# Altium PCB radxa_cm4_io_v1.10.PcbDoc (part 6 of 8)
Units mil, origin at the board's own origin, x right, y up, seen from the top; angles counter-clockwise.
Board outline 6299.62 x 3544.12 mil, 4 copper layers (Top, GND, Power, Bottom), stack 35.4 mil thick; 509 components, 417 nets, 1867 pads, 2150 vias.
Unrouted connection lines stored in the file: 1451.
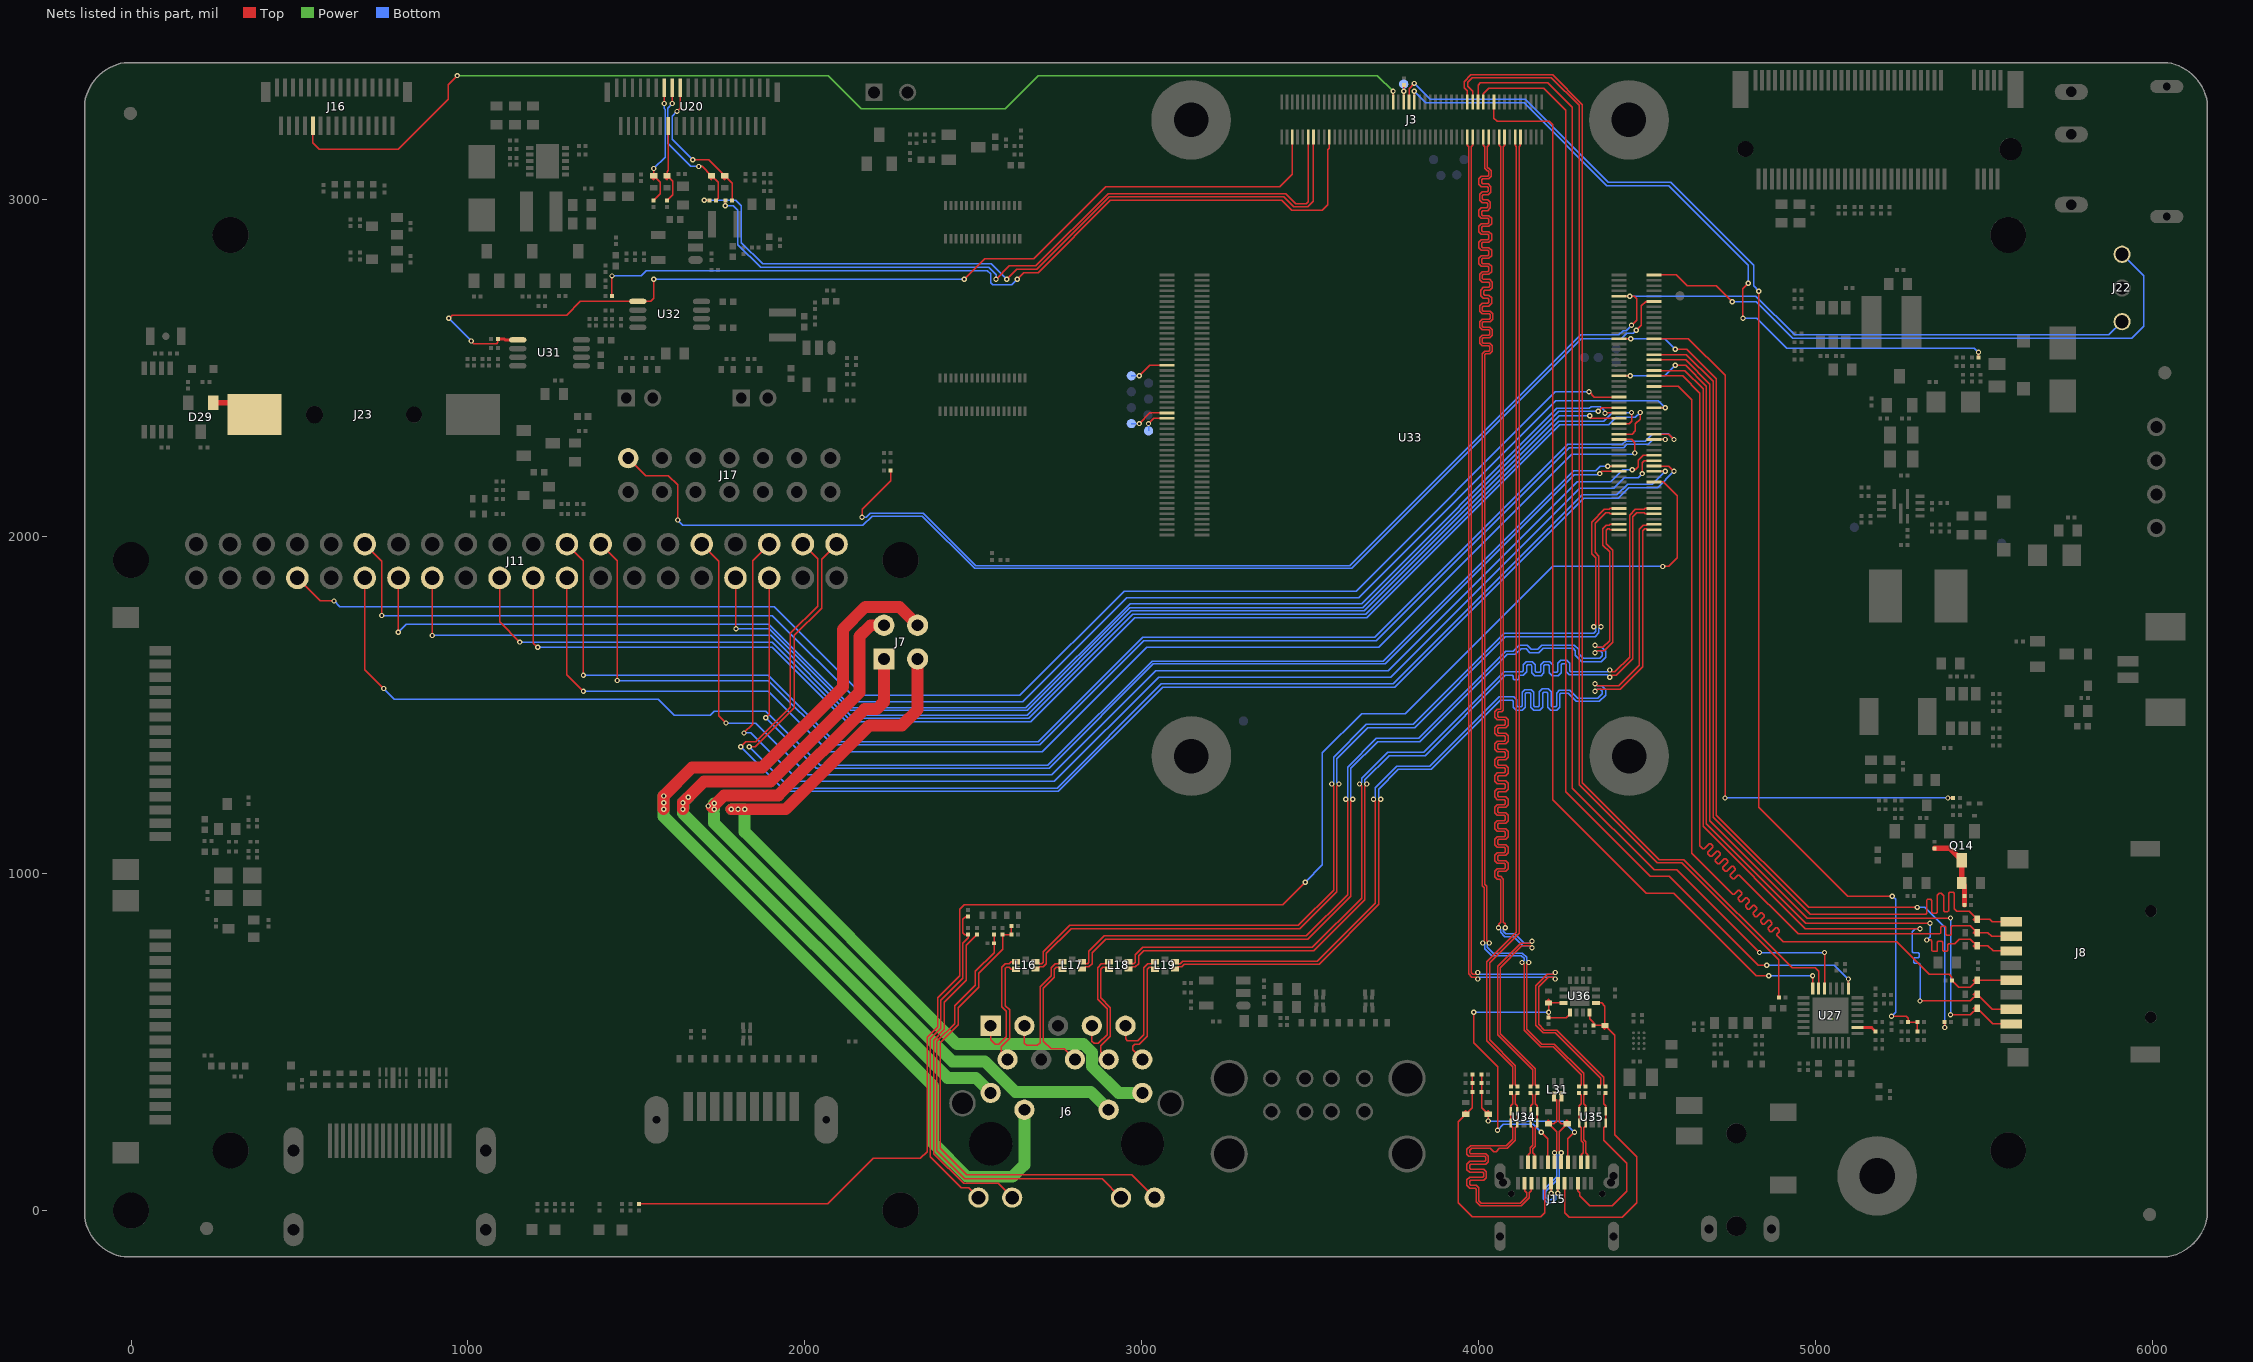
[diagram p8: the nets of this part, all layers, seen from the top]

## Via types
v1: diameter 15.75, hole 7.87, Top to Bottom, 2047 vias
v2: diameter 19.68, hole 11.81, Top to Bottom, 103 vias

## Nets (pads, with @x,y where several pads share a name; then routed paths per layer and width w, separated by ;. In a path a pad name is that pad's centre, name@x,y a point inside that pad or via, vN(x,y) a via of type N, cw(c..) or ccw(c..) an arc to the next point about the centre after c; other vN are vias at no path point) (continued)
PHY1_MDI0+: L16.1 U33.12 | length 2759.1
  Top w3.94: L16.1@2684.25,738.58 2690.94,738.58 2696.85,732.68 2702.76,732.68 2706.69,736.61 2706.69,767.72 2785.43,846.46 3464.43,846.46 3568.9,950.93 3568.9,1259.84 v1(3562.99,1265.75) ; v1(4340.55,1732.28) 4346.46,1738.19 4346.46,1937.01 4334.65,1948.82 4334.65,2043.31 4371.85,2080.51 4386.81,2080.51 4389.76,2083.46 U33.12@4415.35,2083.46
  Bottom w3.94: v1(3562.99,1265.75) 3568.9,1271.65 3568.9,1345.54 3666.27,1442.91 3804.98,1442.91 4074.66,1712.6 4340.41,1712.6 4346.46,1718.64 4346.46,1726.38 v1(4340.55,1732.28)
PHY1_MDI0-: L16.2 U33.10 | length 2759.1
  Top w3.94: L16.2@2684.25,716.93 2690.94,716.93 2696.85,722.83 2706.83,722.83 2716.54,732.54 2716.54,763.64 2789.51,836.61 3468.5,836.61 3578.74,946.85 3578.74,1259.84 v1(3584.65,1265.75) ; v1(4362.2,1732.28) 4356.3,1738.19 4356.3,1915.35 4356.3,1941.08 4344.49,1952.9 4344.49,2039.23 4375.93,2070.67 4386.81,2070.67 4389.76,2067.72 U33.10@4415.35,2067.72
  Bottom w3.94: v1(3584.65,1265.75) 3578.74,1271.65 3578.74,1341.47 3670.35,1433.07 3809.06,1433.07 4078.74,1702.76 4344.49,1702.76 4356.3,1714.57 4356.3,1726.38 v1(4362.2,1732.28)
PHY1_MDI1+: L17.1 U33.4 | length 2704.6
  Top w3.94: L17.1@2822.05,738.58 2826.77,738.58 2832.68,732.68 2838.44,732.68 2842.52,736.75 2842.52,769.69 2887.8,814.96 3488.19,814.96 3610.24,937.01 3610.24,1214.57 v1(3604.33,1220.47) ; v1(4344.49,1655.51) 4350.39,1661.42 4372.05,1661.42 4397.64,1687.01 4397.64,1935.04 4397.64,1958.8 4377.95,1978.49 4377.95,2019.35 4382.03,2023.43 4386.81,2023.43 4389.76,2020.47 U33.4@4415.35,2020.47
  Bottom w3.94: v1(3604.33,1220.47) 3610.24,1226.38 3610.24,1316.01 3695.8,1401.57 3820.73,1401.57 4079.58,1660.43 4102.36,1660.43 4119.09,1677.17 4143.7,1677.17 4155.51,1665.35 4174.14,1665.35 4186.94,1678.15 4283.53,1678.15 4296.26,1665.42 4296.26,1651.64 4309.12,1638.78 4359.11,1638.78 4366.14,1645.81 4366.14,1655.37 4360.1,1661.42 4350.39,1661.42 v1(4344.49,1655.51)
PHY1_MDI1-: L17.2 U33.6 | length 2737.2
  Top w3.94: L17.2@2822.05,716.93 2826.77,716.93 2832.68,722.83 2842.52,722.83 2852.36,732.68 2852.36,765.61 2891.87,805.12 3492.27,805.12 3620.08,932.93 3620.08,1214.57 v1(3625.98,1220.47) ; v1(4344.49,1677.17) 4350.39,1671.26 4367.97,1671.26 4387.8,1691.08 4387.8,1954.72 4368.11,1974.41 4368.11,2023.43 4377.95,2033.27 4386.81,2033.27 4389.76,2036.22 U33.6@4415.35,2036.22
  Bottom w3.94: v1(3625.98,1220.47) 3620.08,1226.38 3620.08,1311.94 3699.87,1391.73 3824.8,1391.73 4083.66,1650.59 4108.27,1650.59 4124.93,1667.25 4139.69,1667.25 4151.44,1655.51 4178.22,1655.51 4191.01,1668.31 4279.46,1668.31 4286.42,1661.35 4286.42,1647.57 4305.05,1628.94 4363.19,1628.94 4375.98,1641.73 4375.98,1659.45 4364.17,1671.26 4350.39,1671.26 v1(4344.49,1677.17)
PHY1_MDI2+: L18.1 U33.11 | length 2752.2
  Top w3.94: L18.1@2959.84,738.58 2964.57,738.58 2970.47,732.68 2976.24,732.68 2980.32,736.75 2980.32,759.84 3001.97,781.5 3505.91,781.5 3651.57,927.17 3651.57,1259.84 v1(3645.67,1265.75) ; v1(4387.8,1604.33) 4393.7,1598.43 4403.4,1598.43 4446.85,1641.87 4446.85,2062.94 4464.43,2080.51 4491.14,2080.51 4494.09,2083.46 U33.11@4520.08,2083.46
  Bottom w3.94: v1(3645.67,1265.75) 3651.57,1271.65 3651.57,1282.55 3729.26,1360.24 3836.47,1360.24 4075.65,1599.41 4128.94,1599.41 4131.89,1602.36 4131.89,1620.22 4140.61,1628.94 4158.6,1628.94 4167.32,1620.22 4167.32,1600.39 4170.28,1597.44 4180.12,1597.44 4183.07,1600.39 4183.07,1620.22 4191.79,1628.94 4209.79,1628.94 4218.5,1620.22 4218.5,1600.39 4221.46,1597.44 4231.3,1597.44 4234.25,1600.39 4234.25,1624.16 4242.97,1632.87 4260.97,1632.87 4269.68,1624.16 4269.68,1602.36 4272.64,1599.41 4382.87,1599.41 v1(4387.8,1604.33)
PHY1_MDI2-: L18.2 U33.9 | length 2772.9
  Top w3.94: L18.2@2959.84,716.93 2964.57,716.93 2970.47,722.83 2980.32,722.83 2990.16,732.68 2990.16,755.77 3006.05,771.65 3509.98,771.65 3661.42,923.09 3661.42,1259.84 v1(3667.32,1265.75) ; v1(4387.8,1582.68) 4393.7,1588.58 4407.48,1588.58 4456.69,1637.8 4456.69,2058.86 4468.5,2070.67 4491.14,2070.67 4494.09,2067.72 U33.9@4520.08,2067.72
  Bottom w3.94: v1(3667.32,1265.75) 3661.42,1271.65 3661.42,1278.47 3733.34,1350.39 3840.55,1350.39 4078.74,1588.58 4099.17,1588.58 4102.36,1585.39 4102.36,1578.08 4105.32,1575.13 4115.16,1575.13 4118.11,1578.08 4118.11,1585.63 4121.06,1588.58 4132.03,1588.58 4141.73,1598.29 4141.73,1616.14 4144.68,1619.09 4154.53,1619.09 4157.48,1616.14 4157.48,1596.32 4166.2,1587.6 4184.19,1587.6 4192.91,1596.32 4192.91,1616.14 4195.87,1619.09 4205.71,1619.09 4208.66,1616.14 4208.66,1596.32 4217.38,1587.6 4235.38,1587.6 4244.09,1596.32 4244.09,1620.08 4247.05,1623.03 4256.89,1623.03 4259.84,1620.08 4259.84,1598.29 4268.56,1589.57 4380.91,1589.57 v1(4387.8,1582.68)
PHY1_MDI3+: L19.1 U33.3 | length 2712.9
  Top w3.94: L19.1@3097.64,738.58 3102.36,738.58 3108.27,732.68 3114.03,732.68 3121.51,740.16 3520.53,740.16 3692.91,912.54 3692.91,1214.57 v1(3687.01,1220.47) ; v1(4344.49,1541.34) 4350.39,1547.24 4419.29,1547.24 4486.22,1614.17 4486.22,2017.38 4492.27,2023.43 4497.05,2023.43 4500,2020.47 U33.3@4520.08,2020.47
  Bottom w3.94: v1(3687.01,1220.47) 3692.91,1226.38 3692.91,1254.99 3756.82,1318.9 3854.19,1318.9 4059.9,1524.61 4103.49,1524.61 4112.2,1515.89 4112.2,1498.03 4115.16,1495.08 4125,1495.08 4127.95,1498.03 4127.95,1537.54 4136.67,1546.26 4154.67,1546.26 4163.39,1537.54 4163.39,1498.03 4166.34,1495.08 4176.18,1495.08 4179.13,1498.03 4179.13,1539.51 4187.85,1548.23 4205.85,1548.23 4214.57,1539.51 4214.57,1498.03 4217.52,1495.08 4227.36,1495.08 4230.32,1498.03 4230.32,1535.57 4239.03,1544.29 4269.75,1544.29 4293.38,1520.67 4353.21,1520.67 4366.14,1533.6 4366.14,1541.2 4360.1,1547.24 4350.39,1547.24 v1(4344.49,1541.34)
PHY1_MDI3-: L19.2 U33.5 | length 2745.8
  Top w3.94: L19.2@3097.64,716.93 3102.36,716.93 3108.27,722.83 3118.11,722.83 3125.59,730.32 3525.65,730.32 3702.76,908.46 3702.76,1214.57 v1(3708.66,1220.47) ; v1(4344.49,1562.99) 4350.39,1557.09 4415.21,1557.09 4476.38,1618.25 4476.38,2021.46 4488.19,2033.27 4497.05,2033.27 4500,2036.22 U33.5@4520.08,2036.22
  Bottom w3.94: v1(3708.66,1220.47) 3702.76,1226.38 3702.76,1250.91 3760.9,1309.06 3858.27,1309.06 4063.98,1514.76 4099.41,1514.76 4102.36,1511.81 4102.36,1493.95 4111.08,1485.24 4129.08,1485.24 4137.8,1493.95 4137.8,1533.46 4140.75,1536.42 4150.59,1536.42 4153.54,1533.46 4153.54,1493.95 4162.26,1485.24 4180.26,1485.24 4188.98,1493.95 4188.98,1535.43 4191.93,1538.39 4201.77,1538.39 4204.72,1535.43 4204.72,1493.95 4213.44,1485.24 4231.44,1485.24 4240.16,1493.95 4240.16,1531.5 4243.11,1534.45 4265.68,1534.45 4289.3,1510.83 4357.28,1510.83 4375.98,1529.53 4375.98,1545.28 4364.17,1557.09 4350.39,1557.09 v1(4344.49,1562.99)
PHY_G_LED+: J6.15 R248.1 R252.2 | length 975.5
  Top w3.94: R252.2@2484.25,872.05 2476.38,872.05 2468.5,864.17 2468.5,824.8 2474.41,818.9 R248.1@2484.25,818.9 2484.25,809.06 2468.5,793.31 2468.5,688.98 2403.54,624.02 2403.54,541.34 2372.05,509.84 2372.05,159.45 2464.17,67.32 2486.22,67.32 J6.15@2514.96,38.58
PHY_G_LED-: J6.16 R253.1 | length 989.8
  Top w3.94: R253.1@2509.84,818.9 2478.35,787.4 2478.35,683.07 2413.39,618.11 2413.39,537.4 2381.89,505.91 2381.89,169.29 2470.47,80.71 2572.83,80.71 J6.16@2614.96,38.58
PHY_MDI0+: J6.1 L16.3 | length 361.9
  Top w3.94: J6.1@2551.18,548.43 2551.18,506.89 2563.98,494.09 2575.72,494.09 2597.44,515.82 2597.44,591.4 2584.65,604.19 2584.65,658.32 2584.65,722.44 2594.49,732.28 2606.3,732.28 2612.2,738.19 L16.3@2625.98,738.19
PHY_MDI0-: J6.2 L16.4 | length 328.7
  Top w3.94: J6.2@2601.18,448.43 2582.68,466.93 2582.68,486.22 2607.28,510.83 2607.28,595.47 2594.49,608.27 2594.49,718.36 2598.57,722.44 2606.3,722.44 2612.2,716.54 L16.4@2625.98,716.54
PHY_MDI1+: J6.3 L17.3 | length 381.2
  Top w3.94: J6.3@2651.18,548.43 2651.18,496.46 2657.48,490.16 2689.96,490.16 2697.83,498.03 2697.83,664.51 2730.32,696.99 2730.32,720.47 2742.13,732.28 2751.97,732.28 2757.87,738.19 L17.3@2763.78,738.19
PHY_MDI1-: J6.6 L17.4 | length 371.6
  Top w3.94: L17.4@2763.78,716.54 2757.87,716.54 2751.97,722.44 2746.2,722.44 2740.16,716.4 2740.16,692.91 2707.68,660.43 2707.68,502.95 2730.32,480.32 2769.29,480.32 J6.6@2801.18,448.43
PHY_MDI2+: J6.7 L18.3 | length 355.7
  Top w3.94: J6.7@2851.18,548.43 2851.18,503.15 2858.27,496.06 2870.99,496.06 2896.65,521.72 2896.65,598.36 2868.11,626.9 2868.11,720.47 2879.92,732.28 2889.76,732.28 2895.67,738.19 L18.3@2901.57,738.19
PHY_MDI2-: J6.8 L18.4 | length 329.8
  Top w3.94: J6.8@2901.18,448.43 2877.95,471.65 2877.95,489.1 2906.5,517.65 2906.5,602.43 2877.95,630.98 2877.95,716.4 2884,722.44 2889.76,722.44 2895.67,716.54 L18.4@2901.57,716.54
PHY_MDI3+: J6.9 L19.3 | length 342.9
  Top w3.94: J6.9@2951.18,548.43 2951.18,509.45 2956.69,503.94 2988.05,503.94 3005.91,521.79 3005.91,720.47 3017.72,732.28 3027.56,732.28 3033.46,738.19 L19.3@3039.37,738.19
PHY_MDI3-: J6.10 L19.4 | length 334.5
  Top w3.94: J6.10@3001.18,448.43 2972.44,477.17 2972.44,488.19 2978.35,494.09 2992.13,494.09 3015.75,517.72 3015.75,590.55 3015.75,630.98 3015.75,716.4 3021.79,722.44 3027.56,722.44 3033.46,716.54 L19.4@3039.37,716.54
PHY_Y_LED+: J6.17 R238.2 R241.2 | length 1315.3
  Top w3.94: R241.2@2561.02,818.9 R238.2@2561.02,793.31 2561.02,765.75 2505.91,710.63 2505.91,668.92 2444.88,607.9 2444.88,555.12 2391.73,501.97 2391.73,177.17 2474.41,94.49 2881.89,94.49 J6.17@2937.8,38.58
PHY_Y_LED-: J6.18 R237.1 R239.2 R242.1 | length 1458.6
  Top w3.94: R242.1@2612.2,844.49 R239.2@2612.2,818.9 R237.1@2586.61,818.9 2586.61,775.59 2515.75,704.72 2515.75,663.39 2454.72,602.36 2454.72,551.18 2401.57,498.03 2401.57,185.04 2480.32,106.3 2970.08,106.3 J6.18@3037.8,38.58
PI_NLED_ACTIVITY: R227.2 U33.21 | length 4703.6
  Top w3.94: R227.2@1507.87,19.69 2066.93,19.69 2202.76,155.51 2342.52,155.51 2362.2,175.2 2362.2,513.78 2393.7,545.28 2393.7,631.89 2458.66,696.85 2458.66,893.7 2472.44,907.48 3417.32,907.48 v1(3484.25,974.41) ; U33.21@4520.08,2162.2 4547.24,2162.2 4588.58,2120.87 4588.58,1937.01 4562.99,1911.42 v1(4545.28,1911.42)
  Bottom w3.94: v1(3484.25,974.41) 3535.43,1025.59 3535.43,1358.27 3651.57,1474.41 3781.5,1474.41 4218.5,1911.42 v1(4545.28,1911.42)
PTP_CLKIN: P11.1 U33.166 | length 119.3
  Top w3.94: v1(2991.73,2477.17) 3023.23,2508.66 U33.166@3074.8,2508.66
  Bottom w3.94: P11.1@2968.5,2477.17 v1(2991.73,2477.17)
PWM1_CH0_M2: J11.13 U33.48 | length 4276.9
  Top w3.94: v1(793.31,1716.54) 793.31,1784.06 793.7,1784.45 J11.13@793.7,1877.56 ; v1(4374.02,2366.14) 4374.8,2366.93 U33.48@4415.35,2366.93
  Bottom w3.94: v1(793.31,1716.54) 816.93,1740.16 1891.79,1740.16 2139.82,1492.13 2655.66,1492.13 2964.72,1801.18 3651.57,1801.18 4230.93,2380.53 4327.38,2380.53 4332.68,2385.83 4360.04,2385.83 4369.91,2375.96 v1(4374.02,2366.14)
PWRON_L: J22.3 U33.99 | length 1785.6
  Top w3.94: U33.99@4520.08,2776.38 4585.83,2776.38 4618.11,2744.09 4704.72,2744.09 v1(4751.97,2696.85)
  Bottom w3.94: v1(4751.97,2696.85) 4822.83,2696.85 4931.1,2588.58 5937.4,2588.58 5972.83,2624.02 5972.83,2773.62 J22.3@5908.66,2837.8
REF_CLK0_OUT_1V8: J3.57 J16.22 | length 3512.5
  Top w3.94: J16.22@539.37,3219.5 539.37,3169.49 559.25,3149.61 793.31,3149.61 940.94,3297.24 940.94,3340.55 v1(968.5,3368.11) ; J3.57@3745.28,3289.77 3745.28,3290.9 v1(3745.28,3321.26)
  Power w3.94: v1(968.5,3368.11) 2068.9,3368.11 2167.32,3269.69 2594.49,3269.69 2692.91,3368.11 3698.43,3368.11 v1(3745.28,3321.26)
RESET_L: J22.1 R218.2 U33.92 | length 4490.1
  Top w3.94: v1(2169.29,2057.09) 2169.29,2080.71 2253.94,2165.35 R218.2@2253.94,2196.85 ; U33.92@4415.35,2713.39 v1(4447.24,2713.39) 4460.63,2713.39 4468.5,2705.51 4468.5,2642.52 v1(4452.76,2626.77)
  Bottom w3.94: v1(2169.29,2057.09) 2181.57,2057.09 2193.38,2068.9 2351.05,2068.9 2506.56,1913.39 3616.71,1913.39 4301.75,2598.43 4415.65,2598.43 4428.79,2611.56 4437.55,2611.56 v1(4452.76,2626.77) ; v1(4447.24,2713.39) 4822.05,2713.39 4937.01,2598.43 5869.29,2598.43 J22.1@5908.66,2637.8
RIN1_ES8388: C248.1 U27.23 | length 58
  Top w7.87: U27.23@5124.02,543.31 5165.35,543.31 C248.1@5177.17,531.5
RTC_BATTERY: D29.1 J23.1 | length 137
  Top w15.75: D29.1@244.09,2397.64 320.87,2397.64 348.43,2370.08 357.95,2370.08 J23.1@366.22,2361.81
SAI1_LRCK_M0: J3.19 U27.7 | length 3258.9
  Top w3.94: J3.19@4044.49,3289.77 4044.49,3275.7 4044.49,3242.13 4054.33,3232.28 4208.66,3232.28 4218.5,3222.44 4218.5,1218.5 4496.06,940.94 4578.74,940.94 4822.83,696.85 v1(4860.24,696.85) ; U27.7@4990.16,659.45 v1(4990.16,696.85)
  Bottom w3.94: v1(4860.24,696.85) v1(4990.16,696.85)
SAI1_MCLK_M0: J3.23 U27.1 | length 3422.7
  Top w3.94: J3.23@4013,3289.77 4013,3302.3 4012.99,3314.17 4029.53,3330.71 4192.91,3330.71 4257.87,3265.75 4257.87,1242.13 4507.87,992.13 4564.96,992.13 4828.74,728.35 v1(4854.33,728.35) ; U27.1@5096.46,659.45 v1(5096.46,687.01)
  Bottom w3.94: v1(4854.33,728.35) 5055.12,728.35 v1(5096.46,687.01)
SAI1_SCLK_M0: J3.25 U27.5 | length 3439.5
  Top w3.94: J3.25@3997.25,3289.77 3997.25,3300.9 3997.24,3339.76 4003.94,3346.46 4204.72,3346.46 4277.56,3273.62 4277.56,1253.94 4519.68,1011.81 4586.61,1011.81 v1(4832.68,765.75) ; U27.5@5025.59,659.45 v1(5025.59,765.75)
  Bottom w3.94: v1(4832.68,765.75) v1(5025.59,765.75)
SAI1_SDI0_M0: J3.27 R276.1 | length 3371.3
  Top w3.94: J3.27@3981.5,3289.77 3981.5,3301 3981.5,3321.65 3966.54,3336.61 3966.54,3348.43 3980.32,3362.2 4214.57,3362.2 4297.24,3279.53 4297.24,1263.78 4529.53,1031.5 4602.36,1031.5 4889.76,744.09 R276.1@4889.76,631.89
SAI1_SDO0_M0: J3.29 U27.6 | length 3455
  Top w3.94: J3.29@3965.75,3289.77 3965.75,3302.2 3965.75,3323.62 3956.69,3332.68 3956.69,3350.39 3976.38,3370.08 4218.5,3370.08 4307.09,3281.5 4307.09,1269.69 4535.43,1041.34 4608.27,1041.34 4929.13,720.47 4998.03,720.47 5007.88,710.63 U27.6@5007.88,659.45
SAI2_LRCK_M0: J11.35 U33.26 | length 3377.3
  Top w3.94: v1(1883.86,1462.6) 1893.7,1472.44 J11.35@1893.7,1877.56 ; v1(4358.27,2187.01) 4364.96,2193.7 U33.26@4415.35,2193.7
  Bottom w3.94: v1(1883.86,1462.6) 2033.46,1312.99 2724.41,1312.99 3033.46,1622.05 3722.44,1622.05 4283.46,2183.07 4354.33,2183.07 v1(4358.27,2187.01)
SAI2_MCLK_M0: J11.36 U33.29 | length 3765
  Top w3.94: v1(1818.9,1417.32) 1844.49,1442.91 1844.49,1928.35 J11.36@1893.7,1977.56 ; v1(4484.25,2187.01) 4484.25,2219.29 4490.16,2225.2 U33.29@4520.08,2225.2
  Bottom w3.94: v1(1818.9,1417.32) 1838.58,1417.32 1982.28,1273.62 2740.16,1273.62 3049.21,1582.68 3738.19,1582.68 4299.21,2143.7 4399.61,2143.7 4431.1,2175.2 4472.44,2175.2 v1(4484.25,2187.01)
SAI2_SCLK_M0: J11.12 U33.49 | length 4559.6
  Top w3.94: J11.12@693.7,1977.56 744.09,1927.17 v1(744.09,1765.75) ; U33.49@4520.08,2382.68 v1(4553.15,2382.68)
  Bottom w3.94: v1(744.09,1765.75) 1903.54,1765.75 2159.45,1509.84 2645.67,1509.84 2954.72,1818.9 3643.7,1818.9 4228.35,2403.54 4532.28,2403.54 v1(4553.15,2382.68)
SAI2_SDI_M0: J11.38 U33.27 | length 4014.4
  Top w3.94: v1(1809.06,1375.98) 1824.8,1391.73 1854.33,1391.73 1956.69,1494.09 1956.69,1712.6 2037.4,1793.31 2037.4,1933.86 J11.38@1993.7,1977.56 ; U33.27@4520.08,2209.45 4562.99,2209.45 v1(4578.74,2193.7)
  Bottom w3.94: v1(1809.06,1375.98) 1940.94,1244.09 2751.97,1244.09 3061.02,1553.15 3750,1553.15 4311.02,2114.17 4413.39,2114.17 4444.88,2145.67 4530.71,2145.67 v1(4578.74,2193.7)
SAI2_SDO_M0: J11.40 U33.25 | length 3910.6
  Top w3.94: v1(1834.65,1375.98) 1852.36,1375.98 1968.5,1492.13 1968.5,1706.69 2049.21,1787.4 2049.21,1933.07 J11.40@2093.7,1977.56 ; U33.25@4520.08,2193.7 v1(4553.15,2193.7)
  Bottom w3.94: v1(1834.65,1375.98) 1956.69,1253.94 2748.03,1253.94 3057.09,1562.99 3746.06,1562.99 4307.09,2124.02 4409.45,2124.02 4440.94,2155.51 4514.96,2155.51 v1(4553.15,2193.7)
SARADC_VIN1_KEY/RECOVERY: J17.2 U33.89 | length 3625.5
  Top w3.94: J17.2@1475.59,2232.68 1527.17,2181.1 1594.49,2181.1 1622.05,2153.54 v1(1622.05,2049.21) ; v1(4466.54,2612.2) 4482.28,2627.95 4482.28,2685.04 4494.88,2697.64 U33.89@4520.08,2697.64
  Bottom w3.94: v1(1622.05,2049.21) 1637.8,2033.46 2171.49,2033.46 2199.05,2061.02 2347.77,2061.02 2503.28,1905.51 3622.9,1905.51 4304.01,2586.61 4422.74,2586.61 4439.34,2603.21 4457.54,2603.21 v1(4466.54,2612.2)
SARADC_VIN3_HP_HOOK_1V8: C281.1 J3.51 R305.2 R319.1 | length 3895.5
  Top w3.94: J3.51@3792.52,3289.77 3792.52,3302.7 3792.52,3329.13 v1(3808.27,3344.88) ; v1(4830.71,2728.35) 4830.71,1196.85 5094.49,933.07 v1(5226.38,933.07) ; v1(5224.41,576.77) 5267.72,576.77 5273.62,570.87 R305.2@5273.62,559.06 R319.1@5301.18,559.06 C281.1@5301.18,531.5
  Bottom w3.94: v1(3808.27,3344.88) 3855.91,3297.24 4137.8,3297.24 4383.86,3051.18 4568.9,3051.18 4814.96,2805.12 4814.96,2744.09 v1(4830.71,2728.35) ; v1(5224.41,576.77) 5236.22,588.58 5236.22,923.23 v1(5226.38,933.07)
SARADC_VIN5_BOM_ID: J3.53 P20.1 R72.1 | length 75.9
  Top w3.94: J3.53@3776.78,3289.77 3777.9,3288.64 3777.9,3299.17 3776.77,3300.3 v1(3776.77,3321.26) 3776.77,3339.76 R72.1@3777.56,3340.55
  Bottom w3.94: v1(3776.77,3321.26) P20.1@3776.77,3342.91
SARADC_VIN7_1V8: J3.49 R178.1 | length 2156.4
  Top w3.94: J3.49@3808.27,3289.77 3808.27,3303.6 v1(3808.27,3321.26) ; v1(4783.46,2647.64) 4783.46,2736.22 v1(4799.21,2751.97) ; R178.1@5482.28,2531.5 v1(5482.28,2547.24)
  Bottom w3.94: v1(3808.27,3321.26) 3842.13,3287.4 4133.86,3287.4 4379.92,3041.34 4562.99,3041.34 4799.21,2805.12 v1(4799.21,2751.97) ; v1(4783.46,2647.64) 4824.8,2647.64 4913.39,2559.06 5470.47,2559.06 v1(5482.28,2547.24)
SD_3V3: C171.1 C172.1 Q14.3 R31.1 R231.2 | length 230.5
  Top w15.75: R231.2@5352.36,1074.8 5397.63,1074.8 Q14.3@5433.07,1039.37 C172.1@5433.07,972.44 5440.94,964.57 C171.1@5440.94,933.07 R31.1@5440.94,907.48
SDMMC0_CLK: C170.1 D21.2 J8.5 U33.57 | length 2812.2
  Top w3.94: U33.57@4520.08,2445.67 4591.73,2445.67 4631.89,2405.51 4631.89,1060.76 4753.58,939.07 4757.75,939.07 4769.02,950.33 4773.19,950.33 4780.15,943.37 4780.15,939.19 4768.89,927.93 4768.89,923.76 4775.85,916.8 4780.03,916.8 4791.29,928.06 4795.46,928.06 4802.42,921.1 4802.42,916.92 4791.16,905.66 4791.16,901.49 4798.12,894.53 4802.3,894.53 4813.56,905.79 4817.73,905.79 4824.69,898.83 4824.69,894.65 4813.43,883.39 4813.43,879.21 4820.39,872.26 4824.57,872.26 4835.83,883.52 4840,883.52 4846.96,876.56 4846.96,872.38 4835.7,861.12 4835.7,856.94 4842.66,849.98 4846.84,849.98 4858.1,861.25 4862.28,861.25 4869.24,854.29 4869.24,850.11 4857.97,838.85 4857.97,834.67 4864.93,827.71 4869.11,827.71 4880.37,838.97 4884.55,838.97 4891.51,832.01 4891.51,827.84 4884.32,820.65 4884.32,816.47 4903.54,797.24 5240.16,797.24 5336.61,700.79 5395.67,700.79 5403.54,692.91 C170.1@5403.54,683.07 5423.23,663.39 5458.66,663.39 D21.2@5478.35,683.07 5479.13,683.86 J8.5@5579.7,683.86
SDMMC0_CMD: D17.2 J8.3 U33.62 | length 2808.4
  Top w3.94: U33.62@4415.35,2477.17 v1(4448.82,2477.17) ; v1(4582.68,2508.66) 4613.39,2508.66 4675.2,2446.85 4675.2,1147.64 4970.47,852.36 v1(5338.58,852.36) ; v1(5328.74,803.15) 5340.85,803.15 5344.49,799.51 5344.49,771.65 5346.46,769.69 5358.27,769.69 5360.24,771.65 5360.24,795.87 5363.19,798.83 5373.03,798.83 5375.98,795.87 5375.98,772.45 5378.94,769.5 5388.78,769.5 5391.73,772.45 5391.73,788.39 5394.68,791.34 5411.42,791.34 5425.2,805.12 5458.66,805.12 D17.2@5478.35,785.43 5510.63,785.43 5525.59,770.47 J8.3@5579.7,770.47
  Bottom w3.94: v1(4448.82,2477.17) 4551.18,2477.17 v1(4582.68,2508.66) ; v1(5328.74,803.15) 5338.58,812.99 v1(5338.58,852.36)
SDMMC0_D0: D20.2 J8.7 U33.63 | length 2811.1